# Altium PCB roach2.PcbDoc (part 10 of 39) (continued)
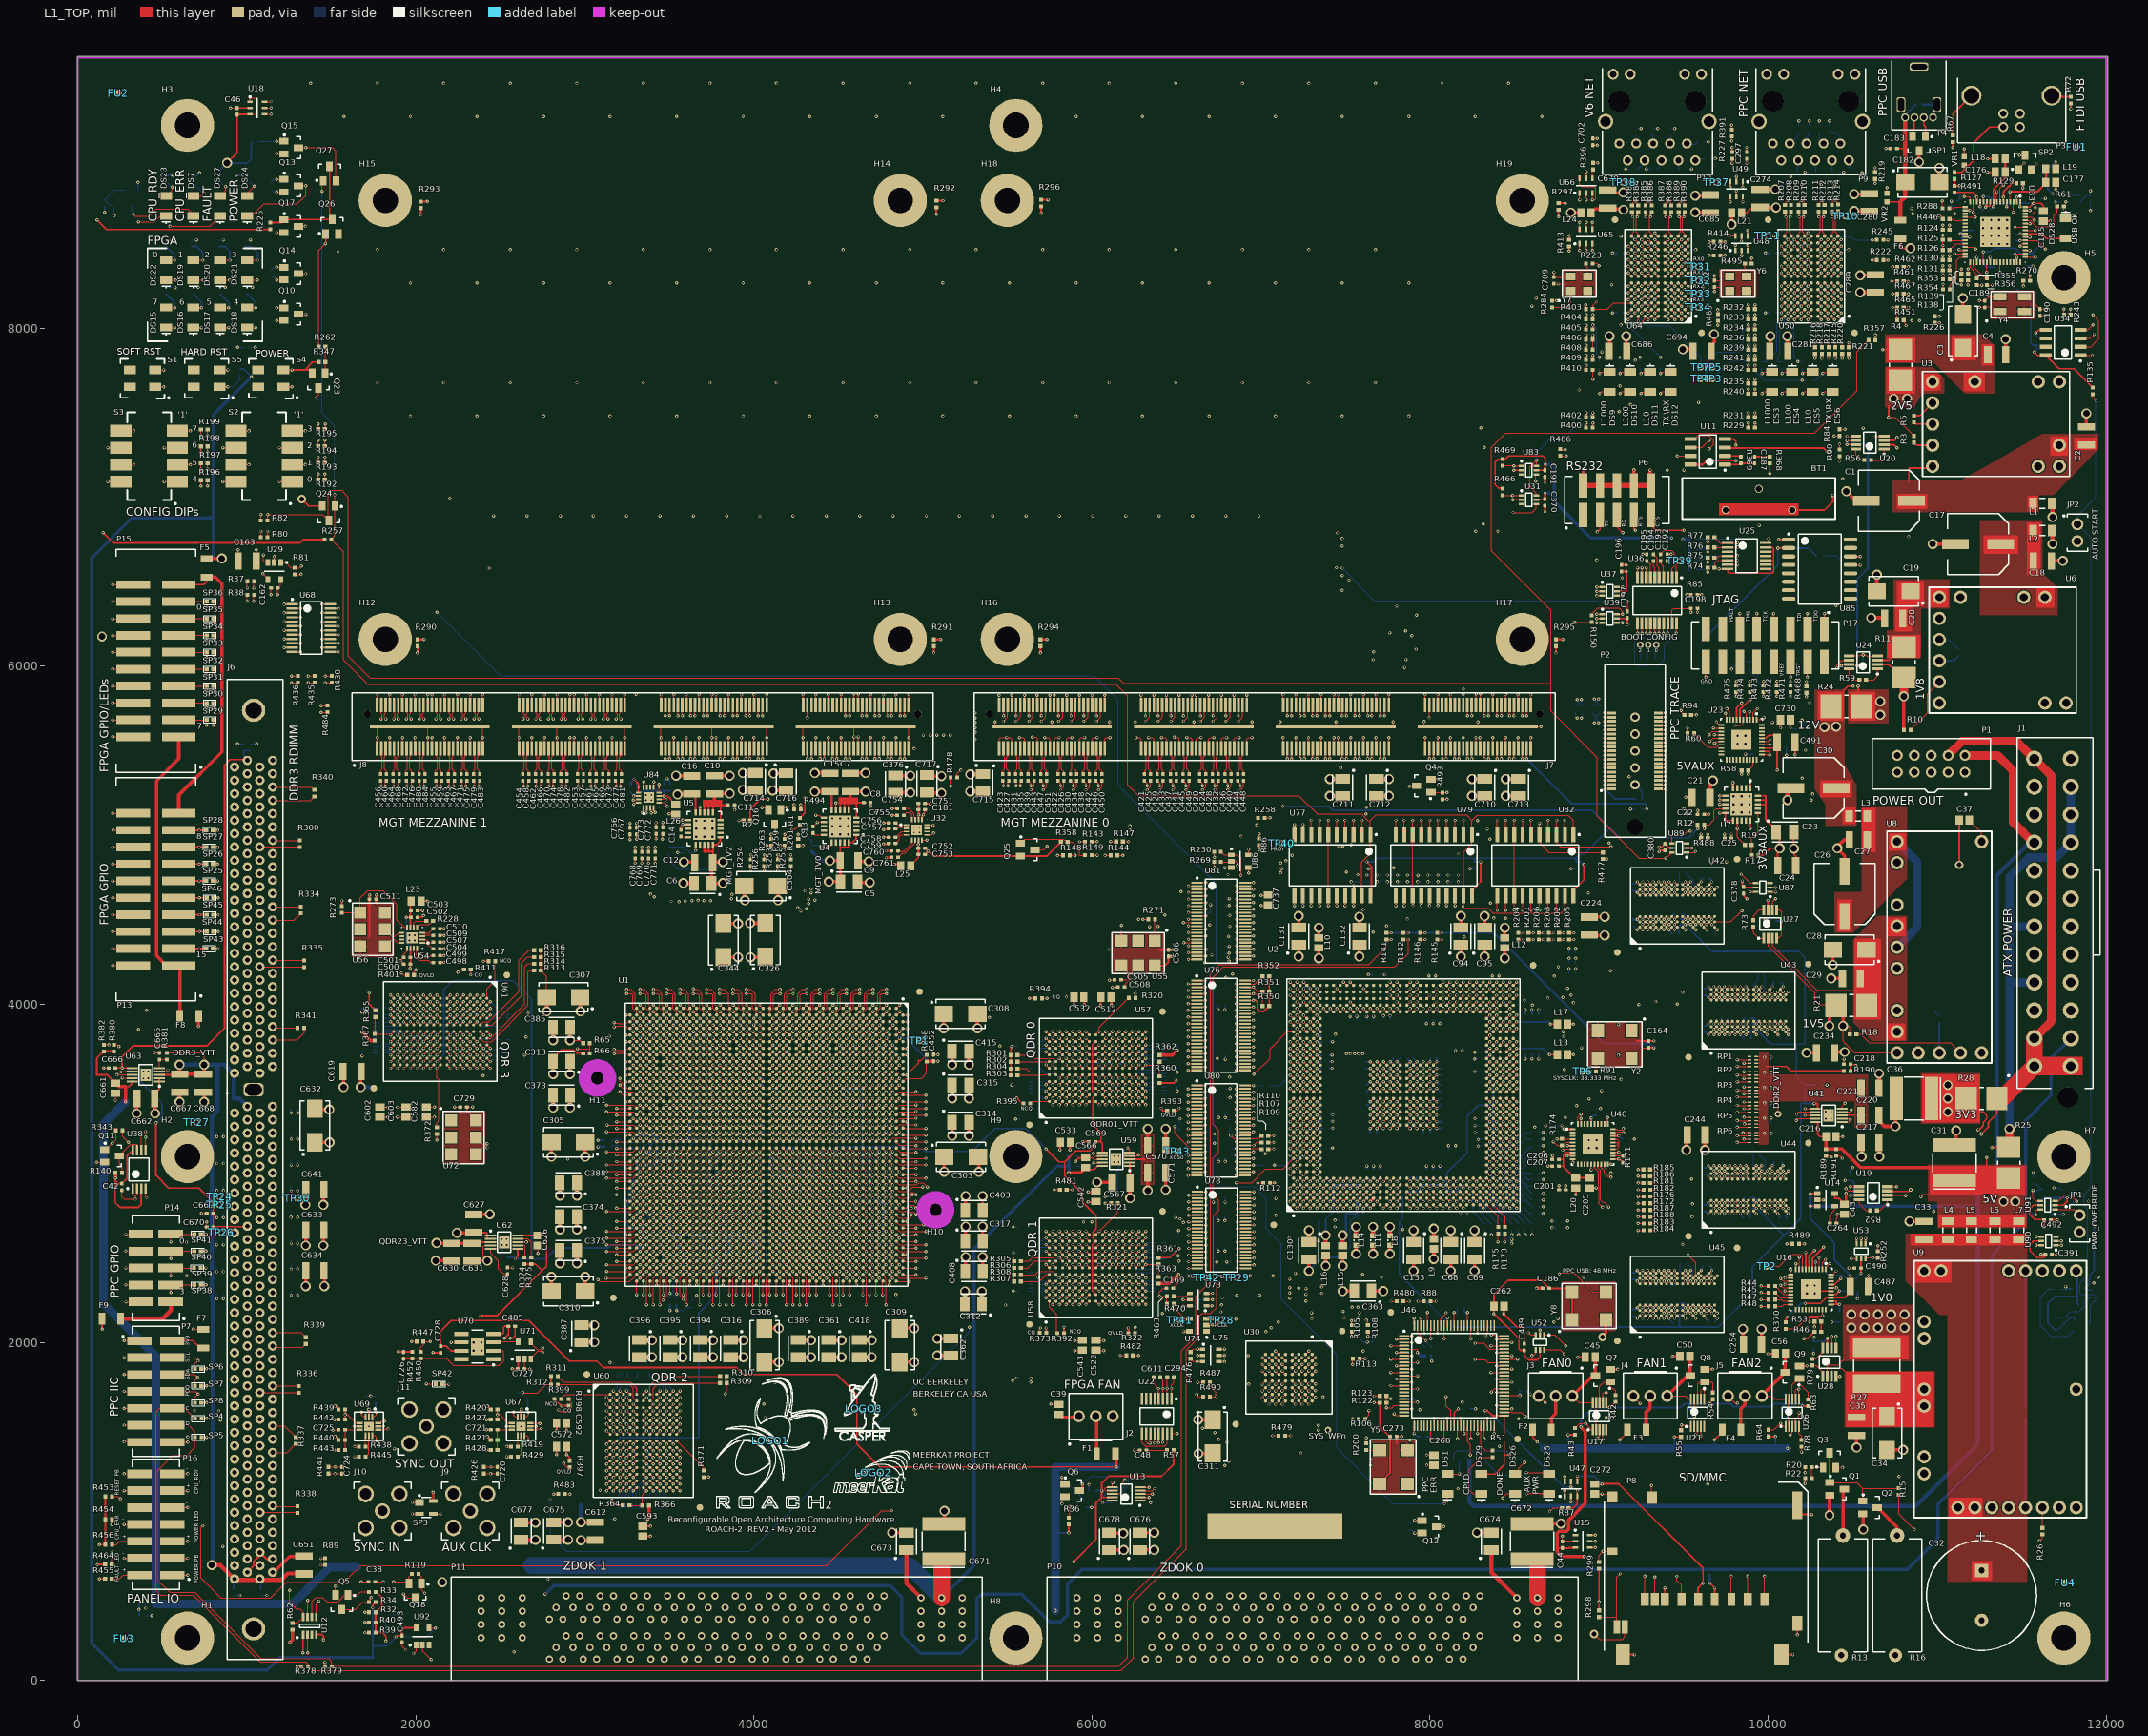
[diagram p0: L1_TOP view]
## Nets (pads, with @x,y where several pads share a name; then routed paths per layer and width w, separated by ;. In a path a pad name is that pad's centre, name@x,y a point inside that pad or via, vN(x,y) a via of type N, cw(c..) or ccw(c..) an arc to the next point about the centre after c; other vN are vias at no path point) (continued)
DDR2.DQ14: U2.AN18 U42.B1 | length 1849.9
  L1_TOP w5: U2.AN18@8453.23,3482.68 v1(8472.91,3502.36) ; v4(9257.87,4440.94) U42.B1@9273.62,4456.69
  L3_S w3.8: v2(8812.99,4094.99) 9008.33,4290.33 cw(c9011.44,4287.22) 9014.55,4290.33 9016.2,4288.68 ccw(c9019.31,4291.79) 9022.42,4288.68 ccw(c9019.31,4291.79) 9022.42,4294.9 9009.9,4307.42 cw(c9013.01,4310.53) 9009.9,4313.65 cw(c9013.01,4310.53) 9016.13,4313.65 9023.89,4305.89 9028.65,4301.13 ccw(c9031.76,4304.24) 9034.87,4301.13 ccw(c9031.76,4304.24) 9034.87,4307.35 9030.11,4312.11 9022.35,4319.87 cw(c9025.46,4322.98) 9022.35,4326.09 cw(c9025.46,4322.98) 9028.57,4326.09 9041.09,4313.57 ccw(c9044.2,4316.68) 9047.31,4313.57 ccw(c9044.2,4316.68) 9047.31,4319.79 9042.55,4324.55 9034.79,4332.31 cw(c9037.9,4335.42) 9034.79,4338.54 cw(c9037.9,4335.42) 9041.02,4338.54 9053.54,4326.02 ccw(c9056.65,4329.13) 9059.76,4326.02 ccw(c9056.65,4329.13) 9059.76,4332.24 9058.11,4333.89 cw(c9061.22,4337) 9058.11,4340.11 9092.99,4374.99 9106.39,4374.99 cw(c9106.39,4371.19) 9110.19,4371.19 ccw(c9114.59,4371.19) 9114.59,4366.79 ccw(c9114.59,4371.19) 9118.99,4371.19 9118.99,4380.79 cw(c9123.39,4380.79) 9123.39,4385.19 cw(c9123.39,4380.79) 9127.79,4380.79 9127.79,4371.19 ccw(c9132.19,4371.19) 9132.19,4366.79 ccw(c9132.19,4371.19) 9136.59,4371.19 9136.59,4380.79 cw(c9140.99,4380.79) 9140.99,4385.19 cw(c9140.99,4380.79) 9145.39,4380.79 9145.39,4371.19 ccw(c9149.79,4371.19) 9149.79,4366.79 ccw(c9149.79,4371.19) 9154.19,4371.19 9154.19,4380.79 cw(c9158.59,4380.79) 9158.59,4385.19 cw(c9158.59,4380.79) 9162.99,4380.79 9162.99,4371.19 ccw(c9167.39,4371.19) 9167.39,4366.79 ccw(c9167.39,4371.19) 9171.79,4371.19 9171.79,4380.85 cw(c9176.19,4380.85) 9176.19,4385.25 cw(c9176.19,4380.85) 9180.59,4380.85 9180.59,4371.19 ccw(c9184.99,4371.19) 9184.99,4366.79 ccw(c9184.99,4371.19) 9189.39,4371.19 9189.39,4394.54 cw(c9193.79,4394.54) 9193.79,4398.94 cw(c9193.79,4394.54) 9198.19,4394.54 9198.19,4371.19 ccw(c9202.59,4371.19) 9202.59,4366.79 ccw(c9202.59,4371.19) 9206.99,4371.19 9206.99,4412.14 cw(c9211.39,4412.14) 9211.39,4416.54 cw(c9211.39,4412.14) 9215.79,4412.14 9215.79,4371.19 ccw(c9220.19,4371.19) 9220.19,4366.79 ccw(c9220.19,4371.19) 9224.59,4371.19 cw(c9228.39,4371.19) 9228.39,4374.99 9236.99,4374.99 9257.87,4395.87 v4(9257.87,4440.94)
  L12_S w3.8: v1(8472.91,3502.36) 8496.68,3526.13 8540.13,3526.13 8658.59,3644.59 8658.59,3940.59 v2(8812.99,4094.99)
DDR2.DQ15: U2.AP18 U42.B9 | length 1849.9
  L1_TOP w5: U2.AP18@8492.6,3482.68 v1(8512.28,3502.36) ; v4(9257.87,4724.41) U42.B9@9273.62,4708.66
  L5_S w3.8: v1(8512.28,3502.36) 8493.66,3520.99 8430.99,3520.99 8417.94,3534.04 8417.94,3626.94 8430,3638.99 8524.99,3638.99 8536.99,3650.99 8536.99,3694.99 8604.99,3762.99 8772.99,3762.99 8818.99,3808.99 8818.99,3886.99 9086.99,4154.99 9086.99,4553.53 v4(9257.87,4724.41)
DDR2.DQ16: U2.AM16 U43.G8 | length 1915.4
  L1_TOP w5: U2.AM16@8413.86,3403.94 v1(8433.54,3384.25) ; v4(9836.61,4072.83) U43.G8@9852.36,4057.09
  L3_S w3.8: v2(8794.99,3614.99) 9220.99,4040.99 9532.59,4040.99 cw(c9532.59,4036.59) 9536.99,4036.59 9536.99,4030.64 ccw(c9541.39,4030.64) 9541.39,4026.24 ccw(c9541.39,4030.64) 9545.79,4030.64 9545.79,4049.35 cw(c9550.19,4049.35) 9550.19,4053.75 cw(c9550.19,4049.35) 9554.59,4049.35 9554.59,4030.64 ccw(c9558.99,4030.64) 9558.99,4026.24 ccw(c9558.99,4030.64) 9563.39,4030.64 9563.39,4049.35 cw(c9567.79,4049.35) 9567.79,4053.75 cw(c9567.79,4049.35) 9572.19,4049.35 9572.19,4030.64 ccw(c9576.59,4030.64) 9576.59,4026.24 ccw(c9576.59,4030.64) 9580.99,4030.64 9580.99,4049.35 cw(c9585.39,4049.35) 9585.39,4053.75 cw(c9585.39,4049.35) 9589.79,4049.35 9589.79,4030.64 ccw(c9594.19,4030.64) 9594.19,4026.24 ccw(c9594.19,4030.64) 9598.59,4030.64 9598.59,4036.59 cw(c9602.99,4036.59) 9602.99,4040.99 9616.99,4040.99 9632.94,4056.94 9820.42,4056.94 v4@9836.32,4072.83
  L5_S w3.8: v1(8433.54,3384.25) 8450.99,3401.7 8450.99,3423.76 8478.22,3450.99 8530.99,3450.99 8694.99,3614.99 v2(8794.99,3614.99)
DDR2.DQ17: U2.AP16 U43.G2 | length 1915.4
  L1_TOP w5: U2.AP16@8492.6,3403.94 v1(8512.28,3384.25) ; v4(9836.61,3852.36) U43.G2@9852.36,3868.11
  L3_S w3.8: v2(9114.99,3698.99) 9283.96,3867.96 9521.79,3867.96 ccw(c9521.79,3872.36) 9526.19,3872.36 9526.19,3886.57 cw(c9530.59,3886.57) 9530.59,3890.97 cw(c9530.59,3886.57) 9534.99,3886.57 9534.99,3849.35 ccw(c9539.39,3849.35) 9539.39,3844.95 ccw(c9539.39,3849.35) 9543.79,3849.35 9543.79,3886.57 cw(c9548.19,3886.57) 9548.19,3890.97 cw(c9548.19,3886.57) 9552.59,3886.57 9552.59,3849.35 ccw(c9556.99,3849.35) 9556.99,3844.95 ccw(c9556.99,3849.35) 9561.39,3849.35 9561.39,3886.57 cw(c9565.79,3886.57) 9565.79,3890.97 cw(c9565.79,3886.57) 9570.19,3886.57 9570.19,3849.35 ccw(c9574.59,3849.35) 9574.59,3844.95 ccw(c9574.59,3849.35) 9578.99,3849.35 9578.99,3886.57 cw(c9583.39,3886.57) 9583.39,3890.97 cw(c9583.39,3886.57) 9587.79,3886.57 9587.79,3849.35 ccw(c9592.19,3849.35) 9592.19,3844.95 ccw(c9592.19,3849.35) 9596.59,3849.35 9596.59,3863.56 cw(c9600.99,3863.56) 9600.99,3867.96 9821.01,3867.96 v4(9836.61,3852.36)
  L5_S w3.8: v1(8512.28,3384.25) 8673.03,3544.99 8960.99,3544.99 v2(9114.99,3698.99)
DDR2.DQ18: U2.AL15 U43.H7 | length 1915.4
  L1_TOP w5: U2.AL15@8374.49,3364.57 v1(8394.17,3344.88) ; v4(9868.11,4041.34) U43.H7@9883.86,4025.59
  L3_S w3.8: v2(9114.99,3880.99) 9119.99,3880.99 9203.99,3964.99 9830.99,3964.99 9868.11,4002.11 v4(9868.11,4041.34)
  L5_S w3.8: v1(8394.17,3344.88) 8370.77,3368.28 8370.77,3424.77 8422.99,3476.99 8512.99,3476.99 8692.99,3656.99 8890.99,3656.99 v2(9114.99,3880.99)
DDR2.DQ19: U2.AP14 U43.H3 | length 1914
  L1_TOP w5: U2.AP14@8492.6,3325.2 v1(8512.28,3305.51) ; v4(9868.11,3883.86) U43.H3@9883.86,3899.61
  L3_S w3.8: v1(8512.28,3305.51) 8496.68,3321.11 8496.68,3351.34 8505.82,3360.48 8572.48,3360.48 8761.65,3549.65 ccw(c8758.54,3552.76) 8761.65,3555.88 8744.39,3573.14 cw(c8747.5,3576.25) 8744.39,3579.36 cw(c8747.5,3576.25) 8750.61,3579.36 8776.41,3553.56 ccw(c8779.53,3556.67) 8782.64,3553.56 ccw(c8779.53,3556.67) 8782.64,3559.78 8777.21,3565.21 8756.83,3585.58 cw(c8759.95,3588.69) 8756.83,3591.81 cw(c8759.95,3588.69) 8763.06,3591.81 8788.86,3566 ccw(c8791.97,3569.11) 8795.08,3566 ccw(c8791.97,3569.11) 8795.08,3572.23 8792.77,3574.54 cw(c8795.88,3577.65) 8792.77,3580.77 8864.99,3652.99 8912.99,3652.99 9212.99,3952.99 9798.98,3952.99 v4(9868.11,3883.86)
DDR2.DQ20: U2.AL17 U43.H1 | length 1915.4
  L1_TOP w5: U2.AL17@8374.49,3443.31 v1(8394.17,3423.62) ; v4(9868.11,3820.87) U43.H1@9883.86,3836.61
  L3_S w3.8: v2(9130.96,3555.02) v2(9130.96,3555.02) 9241.85,3665.85 cw(c9244.96,3662.73) 9248.07,3665.85 9268.81,3645.1 ccw(c9271.92,3648.21) 9275.04,3645.1 ccw(c9271.92,3648.21) 9275.04,3651.32 9251.18,3675.18 9248.92,3677.44 cw(c9252.03,3680.55) 9248.92,3683.67 cw(c9252.03,3680.55) 9255.14,3683.67 9268.81,3669.99 ccw(c9271.92,3673.1) 9275.04,3669.99 ccw(c9271.92,3673.1) 9275.04,3676.21 9266.74,3684.51 cw(c9269.85,3687.62) 9266.74,3690.74 9288.99,3712.99 9785.7,3712.99 9868.11,3795.4 v4(9868.11,3820.87)
  L5_S w3.8: v1(8394.17,3423.62) 8378.57,3408.02 8378.57,3377.79 8387.71,3368.65 8524.65,3368.65 8670.99,3514.99 9090.93,3514.99 v2(9130.96,3555.02)
DDR2.DQ21: U2.AM17 U43.H9 | length 1915.4
  L1_TOP w5: U2.AM17@8413.86,3443.31 v1(8433.54,3423.62) ; v4(9868.11,4104.33) U43.H9@9883.86,4088.58
  L3_S w3.8: v1(8433.54,3423.62) 8454.91,3444.99 8506.99,3444.99 8708.99,3646.99 8708.99,3670.99 9216.99,4178.99 9394.59,4178.99 ccw(c9394.59,4183.39) 9398.99,4183.39 9398.99,4207.89 cw(c9403.39,4207.89) 9403.39,4212.29 cw(c9403.39,4207.89) 9407.79,4207.89 9407.79,4174.59 ccw(c9412.19,4174.59) 9412.19,4170.19 ccw(c9412.19,4174.59) 9416.59,4174.59 cw(c9420.99,4174.59) 9420.99,4178.99 9793.45,4178.99 v4(9868.11,4104.33)
DDR2.DQ22: U2.AN15 U43.F1 | length 1915.4
  L1_TOP w5: U2.AN15@8453.23,3364.57 v1(8472.91,3344.88) ; v4(9805.12,3820.87) U43.F1@9820.87,3836.61
  L3_S w3.8: v2@9008.99,3488.99 v2(9014.99,3488.99) 9040.99,3488.99 9276.99,3724.99 9460.99,3724.99 ccw(c9460.99,3729.39) 9465.39,3729.39 9465.39,3745.52 cw(c9469.79,3745.52) 9469.79,3749.92 cw(c9469.79,3745.52) 9474.19,3745.52 9474.19,3729.39 ccw(c9478.59,3729.39) 9478.59,3724.99 ccw(c9478.59,3729.39) 9482.99,3729.39 9482.99,3745.52 cw(c9487.39,3745.52) 9487.39,3749.92 cw(c9487.39,3745.52) 9491.79,3745.52 9491.79,3729.39 ccw(c9496.19,3729.39) 9496.19,3724.99 ccw(c9496.19,3729.39) 9500.59,3729.39 9500.59,3745.52 cw(c9504.99,3745.52) 9504.99,3749.92 cw(c9504.99,3745.52) 9509.39,3745.52 9509.39,3729.39 ccw(c9513.79,3729.39) 9513.79,3724.99 ccw(c9513.79,3729.39) 9518.19,3729.39 9518.19,3745.52 cw(c9522.59,3745.52) 9522.59,3749.92 cw(c9522.59,3745.52) 9526.99,3745.52 9526.99,3729.39 ccw(c9531.39,3729.39) 9531.39,3724.99 ccw(c9531.39,3729.39) 9535.79,3729.39 9535.79,3745.52 cw(c9540.19,3745.52) 9540.19,3749.92 cw(c9540.19,3745.52) 9544.59,3745.52 9544.59,3729.39 ccw(c9548.99,3729.39) 9548.99,3724.99 ccw(c9548.99,3729.39) 9553.39,3729.39 9553.39,3745.52 cw(c9557.79,3745.52) 9557.79,3749.92 cw(c9557.79,3745.52) 9562.19,3745.52 9562.19,3729.39 ccw(c9566.59,3729.39) 9566.59,3724.99 ccw(c9566.59,3729.39) 9570.99,3729.39 9570.99,3745.52 cw(c9575.39,3745.52) 9575.39,3749.92 cw(c9575.39,3745.52) 9579.79,3745.52 9579.79,3729.39 ccw(c9584.19,3729.39) 9584.19,3724.99 9766.99,3724.99 9805.12,3763.12 v4(9805.12,3820.87)
  L5_S w3.8: v1(8472.91,3344.88) 8488.51,3360.48 8546.48,3360.48 8674.99,3488.99 v2(9014.99,3488.99)
DDR2.DQ23: U2.AM15 U43.F9 | length 1915.4
  L1_TOP w5: U2.AM15@8413.86,3364.57 v1(8433.54,3344.88) ; v4(9805.12,4104.33) U43.F9@9820.87,4088.58
  L3_S w3.8: v1(8433.54,3344.88) 8449.14,3360.48 8449.14,3399.14 8458.02,3408.02 8518.75,3408.02 8527.88,3417.16 8527.88,3423.88 8766.99,3662.99 8766.99,3696.99 9208.99,4138.99 9464.59,4138.99 ccw(c9464.59,4143.39) 9468.99,4143.39 9468.99,4165.51 cw(c9473.39,4165.51) 9473.39,4169.91 cw(c9473.39,4165.51) 9477.79,4165.51 9477.79,4122.48 ccw(c9482.19,4122.48) 9482.19,4118.08 ccw(c9482.19,4122.48) 9486.59,4122.48 9486.59,4134.59 cw(c9490.99,4134.59) 9490.99,4138.99 9548.99,4138.99 9562.99,4152.99 9756.46,4152.99 v4(9805.12,4104.33)
DDR2.DQ24: U2.AP13 U43.C8 | length 1719.3
  L1_TOP w5: U2.AP13@8492.6,3285.83 v1(8512.28,3266.14) ; v4(9710.63,4072.83) U43.C8@9726.38,4057.09
  L3_S w3.8: v2(9492.99,4070.99) 9500.99,4062.99 9604.99,4062.99 9630.43,4088.43 9694.73,4088.43 9710.33,4072.83 v4(9710.63,4072.83)
  L5_S w3.8: v1(8512.28,3266.14) 8544.14,3266.14 8630.99,3352.99 8854.99,3352.99 8908.99,3406.99 9028.99,3406.99 9402.99,3780.99 9402.99,3980.99 v2(9492.99,4070.99)
DDR2.DQ25: U2.AN13 U43.C2 | length 1780.8
  L1_TOP w5: U2.AN13@8453.23,3285.83 v1(8472.91,3266.14) ; v4(9710.63,3852.36) U43.C2@9726.38,3868.11
  L3_S w3.8: v2(8798.99,3330.99) 8798.99,3355.05 9240.93,3796.99 9302.99,3796.99 9342.47,3836.47 9459.79,3836.47 cw(c9459.79,3832.07) 9464.19,3832.07 9464.19,3788.79 ccw(c9468.59,3788.79) 9468.59,3784.39 ccw(c9468.59,3788.79) 9472.99,3788.79 9472.99,3845.57 cw(c9477.39,3845.57) 9477.39,3849.97 cw(c9477.39,3845.57) 9481.79,3845.57 9481.79,3788.79 ccw(c9486.19,3788.79) 9486.19,3784.39 ccw(c9486.19,3788.79) 9490.59,3788.79 9490.59,3832.07 cw(c9494.99,3832.07) 9494.99,3836.47 9680.99,3836.47 9681.29,3836.76 9694.73,3836.76 9710.33,3852.36 v4(9710.63,3852.36)
  L5_S w3.8: v1(8472.91,3266.14) 8492.06,3246.99 8554.99,3246.99 8638.99,3330.99 v2(8798.99,3330.99)
DDR2.DQ26: U2.AP12 U43.D7 | length 1780.8
  L1_TOP w5: U2.AP12@8492.6,3246.46 v1(8512.28,3226.77) ; v4(9742.13,4041.34) U43.D7@9757.87,4025.59
  L3_S w3.8: v2(9462.99,4000.99) 9464.99,3998.99 9510.99,3998.99 ccw(c9510.99,4003.39) 9515.39,4003.39 9515.39,4004.09 cw(c9519.79,4004.09) 9519.79,4008.49 cw(c9519.79,4004.09) 9524.19,4004.09 9524.19,3995.79 ccw(c9528.59,3995.79) 9528.59,3991.39 ccw(c9528.59,3995.79) 9532.99,3995.79 9532.99,4004.09 cw(c9537.39,4004.09) 9537.39,4008.49 cw(c9537.39,4004.09) 9541.79,4004.09 9541.79,4003.39 ccw(c9546.19,4003.39) 9546.19,3998.99 9726.99,3998.99 9742.13,4014.13 v4(9742.13,4041.34)
  L5_S w3.8: v1(8512.28,3226.77) 8550.71,3226.77 8626.93,3302.99 8816.99,3302.99 8912.99,3398.99 9044.99,3398.99 9462.99,3816.99 v2(9462.99,4000.99)
DDR2.DQ27: U2.AL12 U43.D3 | length 1780.8
  L1_TOP w5: U2.AL12@8374.49,3246.46 v1(8394.17,3226.77) ; v4(9742.13,3883.86) U43.D3@9757.87,3899.61
  L3_S w3.8: v2(8618.99,3272.99) 9268.99,3922.99 9545.59,3922.99 ccw(c9545.59,3926.79) 9549.39,3926.79 cw(c9553.79,3926.79) 9553.79,3931.19 cw(c9553.79,3926.79) 9558.19,3926.79 9558.19,3915.19 ccw(c9562.59,3915.19) 9562.59,3910.79 ccw(c9562.59,3915.19) 9566.99,3915.19 9566.99,3926.19 cw(c9571.39,3926.19) 9571.39,3930.59 cw(c9571.39,3926.19) 9575.79,3926.19 9575.79,3915.19 ccw(c9580.19,3915.19) 9580.19,3910.79 ccw(c9580.19,3915.19) 9584.59,3915.19 9584.59,3918.59 cw(c9588.99,3918.59) 9588.99,3922.99 9702.99,3922.99 v4(9742.13,3883.86)
  L5_S w3.8: v1(8394.17,3226.77) 8413.95,3206.99 8552.99,3206.99 v2(8618.99,3272.99)
DDR2.DQ28: U2.AM14 U43.D1 | length 1780.8
  L1_TOP w5: U2.AM14@8413.86,3325.2 v1(8433.54,3305.51) ; v4(9742.13,3820.87) U43.D1@9757.87,3836.61
  L3_S w3.8: v2(8940.99,3440.99) 9258.59,3758.59 9664.99,3758.59 ccw(c9664.99,3762.99) 9669.39,3762.99 9669.39,3792.51 cw(c9673.79,3792.51) 9673.79,3796.91 cw(c9673.79,3792.51) 9678.19,3792.51 9678.19,3742.95 ccw(c9682.59,3742.95) 9682.59,3738.55 ccw(c9682.59,3742.95) 9686.99,3742.95 9686.99,3799.3 cw(c9691.39,3799.3) 9691.39,3803.7 cw(c9691.39,3799.3) 9695.79,3799.3 9695.79,3762.99 ccw(c9700.19,3762.99) 9700.19,3758.59 9708.59,3758.59 9742.13,3792.13 v4(9742.13,3820.87)
  L5_S w3.8: v1(8433.54,3305.51) 8449.14,3321.11 8545.11,3321.11 8664.99,3440.99 v2(8940.99,3440.99)
DDR2.DQ29: U2.AN14 U43.D9 | length 1759.1
  L1_TOP w5: U2.AN14@8453.23,3325.2 v1(8472.91,3305.51) ; v4(9742.13,4104.33) U43.D9@9757.87,4088.58
  L3_S w3.8: v1(8472.91,3305.51) 8457.31,3321.11 8457.31,3351.34 8468.96,3362.99 8486.27,3362.99 8496.68,3373.4 8496.68,3390.71 8505.82,3399.85 8525.85,3399.85 8806.99,3680.99 8806.99,3712.99 9202.99,4108.99 9350.99,4108.99 ; 9346.99,4108.99 9350.99,4108.99 ; v4(9742.13,4104.33) 9709.46,4136.99 9604.99,4136.99 9576.99,4108.99 9350.99,4108.99
DDR2.DQ30: U2.AL13 U43.B1 | length 1780.8
  L1_TOP w5: U2.AL13@8374.49,3285.83 v1(8394.17,3266.14) ; v4(9679.13,3820.87) U43.B1@9694.88,3836.61
  L3_S w3.8: v2(8866.99,3400.99) 9236.99,3770.99 9313.93,3770.99 9317.53,3767.39 9554.99,3767.39 ccw(c9554.99,3771.79) 9559.39,3771.79 9559.39,3820.02 cw(c9563.79,3820.02) 9563.79,3824.42 cw(c9563.79,3820.02) 9568.19,3820.02 9568.19,3771.79 ccw(c9572.59,3771.79) 9572.59,3767.39 ccw(c9572.59,3771.79) 9576.99,3771.79 9576.99,3820.02 cw(c9581.39,3820.02) 9581.39,3824.42 cw(c9581.39,3820.02) 9585.79,3820.02 9585.79,3771.79 ccw(c9590.19,3771.79) 9590.19,3767.39 9625.66,3767.39 v4(9679.13,3820.87)
  L5_S w3.8: v1(8394.17,3266.14) 8417.94,3289.91 8527.91,3289.91 8638.99,3400.99 v2(8866.99,3400.99)
DDR2.DQ31: U2.AM12 U43.B9 | length 1780.8
  L1_TOP w5: U2.AM12@8413.86,3246.46 v1(8433.54,3226.77) ; v4(9679.13,4104.33) U43.B9@9694.88,4088.58
  L3_S w3.8: v1(8433.54,3226.77) 8457.31,3250.54 8479.38,3250.54 8488.51,3259.68 8488.51,3354.2 8502.59,3368.28 8522.28,3368.28 8831.92,3677.92 8831.92,3709.45 9209.46,4086.99 9371.39,4086.99 cw(c9371.39,4082.59) 9375.79,4082.59 9375.79,4070.19 ccw(c9380.19,4070.19) 9380.19,4065.79 ccw(c9380.19,4070.19) 9384.59,4070.19 9384.59,4082.59 cw(c9388.99,4082.59) 9388.99,4086.99 9590.99,4086.99 9623.93,4119.93 9663.53,4119.93 v4(9679.13,4104.33)
DDR2.DQ32: U2.AF3 U44.G8 | length 1788.4
  L1_TOP w5: U2.AF3@8177.64,2892.13 v1(8197.32,2872.44) ; v4(9836.61,3013.78) U44.G8@9852.36,2998.03
  L3_S w3.8: v1(8197.32,2872.44) 8216.77,2852.99 8658.3,2852.99 8664.22,2858.91 8677.14,2858.91 8683.05,2852.99 9176.99,2852.99 9206.99,2882.99 9738.99,2882.99 9821.01,2965.01 9821.01,2997.88 9836.61,3013.48 v4(9836.61,3013.78)
DDR2.DQ33: U2.AF1 U44.G2 | length 1758.4
  L1_TOP w5: U2.AF1@8177.64,2813.39 v1(8197.32,2793.7) ; v4(9836.61,2793.31) U44.G2@9852.36,2809.06
  L3_S w3.8: v1(8197.32,2793.7) 8197.32,2762.66 8212.28,2747.71 9195.71,2747.71 9212.99,2764.99 9588.99,2764.99 9632.91,2808.91 9821.01,2808.91 v4(9836.61,2793.31)
DDR2.DQ34: U2.AD4 U44.H7 | length 1913.2
  L1_TOP w5: U2.AD4@8098.9,2931.5 v1(8118.58,2911.81) ; v4(9868.11,2982.28) U44.H7@9883.86,2966.54
  L3_S w3.8: v1(8118.58,2911.81) 8118.58,2929.12 8134.18,2944.72 8134.18,2958.18 8150.95,2974.95 8617.03,2974.95 8644.28,2947.71 8677.14,2947.71 8678.43,2948.99 8908.99,2948.99 8959.96,2898.02 9012.02,2898.02 9024.99,2910.99 9152.99,2910.99 9208.99,2966.99 v2(9546.99,2966.99)
  L5_S w3.8: v2(9546.99,2966.99) 9547.3,2966.68 9854.68,2966.68 9868.11,2980.11 v4(9868.11,2982.28)
DDR2.DQ35: U2.AD3 U44.H3 | length 1947.7
  L1_TOP w5: U2.AD3@8098.9,2892.13 v1(8118.58,2872.44) ; v4(9868.11,2824.8) U44.H3@9883.86,2840.55
  L5_S w3.8: v1(8118.58,2872.44) 8138.99,2892.85 8138.99,2922.99 8148.99,2932.99 8596.99,2932.99 8644.99,2980.99 8954.99,2980.99 9048.59,2887.39 9238.27,2887.39 9249.87,2898.99 9812.99,2898.99 9868.11,2843.87 v4(9868.11,2824.8)
DDR2.DQ36: U2.AG3 U44.H1 | length 1779.3
  L1_TOP w5: U2.AG3@8217.01,2892.13 v1(8236.69,2872.44) ; v4(9868.11,2761.81) U44.H1@9883.86,2777.56
  L5_S w3.8: v1(8236.69,2872.44) 8256.14,2852.99 8644.99,2852.99 8652.99,2860.99 8834.99,2860.99 8840.99,2854.99 9198.99,2854.99 9208.99,2844.99 9248.99,2844.99 9270.99,2866.99 9764.99,2866.99 9789.52,2842.47 9789.52,2818.34 9798.95,2808.91 9843.08,2808.91 9852.21,2799.77 9852.21,2795.29 9852.51,2794.99 9852.51,2777.41 v4(9868.11,2761.81)
DDR2.DQ37: U2.AF2 U44.H9 | length 1905
  L1_TOP w5: U2.AF2@8177.64,2852.76 v1(8197.32,2833.07) ; v4(9868.11,3045.28) U44.H9@9883.86,3029.53
  L3_S w3.8: v1(8197.32,2833.07) 8210.91,2833.07 8268.99,2774.99 8636.99,2774.99 8648.71,2786.71 8697.28,2786.71 8704.99,2778.99 9128.99,2778.99 9192.99,2842.99 9532.99,2842.99 9554.99,2864.99 9758.99,2864.99 9852.51,2958.51 9852.51,3029.38 9868.11,3044.98 v4(9868.11,3045.28)
DDR2.DQ38: U2.AE2 U44.F1 | length 1792.4
  L1_TOP w5: U2.AE2@8138.27,2852.76 v1(8157.95,2833.07) ; v4(9805.12,2761.81) U44.F1@9820.87,2777.56
  L5_S w3.8: v1(8157.95,2833.07) 8173.92,2817.1 8207.02,2817.1 8223.12,2800.99 8230.99,2800.99 8258.99,2772.99 8647.27,2772.99 8660.99,2786.71 8695.28,2786.71 8732.99,2748.99 9180.99,2748.99 9190.99,2758.99 9228.59,2758.99 ; 9228.99,2758.59 9228.59,2758.99 ; 9536.99,2758.99 9532.99,2758.99 ; v4(9805.12,2761.81) 9757.94,2808.99 9610.99,2808.99 9560.99,2758.99 9532.99,2758.99 ; 9228.59,2758.99 9532.99,2758.99
DDR2.DQ39: U2.AE1 U44.F9 | length 1867.6
  L1_TOP w5: U2.AE1@8138.27,2813.39 v1(8157.95,2793.7) ; v4(9805.12,3045.28) U44.F9@9820.87,3029.53
  L3_S w3.8: v1(8157.95,2793.7) 8175.26,2793.7 8190.86,2809.3 8214.68,2809.3 8260.99,2762.99 8648.3,2762.99 8664.22,2778.91 8677.14,2778.91 8691.05,2764.99 9138.99,2764.99 9174.99,2800.99 9534.99,2800.99 v2(9552.99,2818.99)
  L14_S w3.8: v2(9552.99,2818.99) 9695.03,2961.03 9695.03,2988.75 9704.17,2997.88 9757.73,2997.88 v4(9805.12,3045.28)
DDR2.DQ40: U2.AC3 U44.C8 | length 2068
  L1_TOP w5: U2.AC3@8059.53,2892.13 v1(8079.21,2872.44) ; v4(9710.63,3013.78) U44.C8@9726.38,2998.03
  L3_S w3.8: v1(8079.21,2872.44) 8056.99,2894.66 8056.99,2980.99 8090.32,3014.32 8659.63,3014.32 8664.22,3018.91 8677.14,3018.91 8709.05,2986.99 8956.99,2986.99 8994.99,2948.99 9130.99,2948.99 9228.99,3046.99 9302.99,3046.99 9314.99,3034.99 9340.99,3034.99 ccw(c9340.99,3039.39) 9345.39,3039.39 9345.39,3050.38 cw(c9349.79,3050.38) 9349.79,3054.78 cw(c9349.79,3050.38) 9354.19,3050.38 9354.19,3017.6 ccw(c9358.59,3017.6) 9358.59,3013.2 ccw(c9358.59,3017.6) 9362.99,3017.6 9362.99,3050.38 cw(c9367.39,3050.38) 9367.39,3054.78 cw(c9367.39,3050.38) 9371.79,3050.38 9371.79,3017.6 ccw(c9376.19,3017.6) 9376.19,3013.2 ccw(c9376.19,3017.6) 9380.59,3017.6 9380.59,3030.59 cw(c9384.99,3030.59) 9384.99,3034.99 9552.99,3034.99 9558.31,3029.68 9694.73,3029.68 v4(9710.63,3013.78)
DDR2.DQ41: U2.AC1 U44.C2 | length 2068
  L1_TOP w5: U2.AC1@8059.53,2813.39 v1(8079.21,2793.7) ; v4(9710.63,2793.31) U44.C2@9726.38,2809.06
  L5_S w3.8: v1(8079.21,2793.7) 8121.92,2750.99 8654.99,2750.99 8668.99,2736.99 8854.99,2736.99 8873.39,2718.59 8908.99,2718.59 ccw(c8908.99,2722.99) 8913.39,2722.99 8913.39,2735.58 cw(c8917.79,2735.58) 8917.79,2739.98 cw(c8917.79,2735.58) 8922.19,2735.58 8922.19,2700.8 ccw(c8926.59,2700.8) 8926.59,2696.4 ccw(c8926.59,2700.8) 8930.99,2700.8 8930.99,2735.58 cw(c8935.39,2735.58) 8935.39,2739.98 cw(c8935.39,2735.58) 8939.79,2735.58 8939.79,2700.8 ccw(c8944.19,2700.8) 8944.19,2696.4 ccw(c8944.19,2700.8) 8948.59,2700.8 8948.59,2735.58 cw(c8952.99,2735.58) 8952.99,2739.98 cw(c8952.99,2735.58) 8957.39,2735.58 8957.39,2700.8 ccw(c8961.79,2700.8) 8961.79,2696.4 ccw(c8961.79,2700.8) 8966.19,2700.8 8966.19,2735.58 cw(c8970.59,2735.58) 8970.59,2739.98 cw(c8970.59,2735.58) 8974.99,2735.58 8974.99,2700.8 ccw(c8979.39,2700.8) 8979.39,2696.4 ccw(c8979.39,2700.8) 8983.79,2700.8 8983.79,2714.19 cw(c8988.19,2714.19) 8988.19,2718.59 9279.39,2718.59 9291.19,2706.79 9562.79,2706.79 9633.41,2777.41 9694.73,2777.41 v4(9710.63,2793.31)
DDR2.DQ42: U2.AA4 U44.D7 | length 2068
  L1_TOP w5: U2.AA4@7980.79,2931.5 v1(8000.47,2911.81) ; v4(9742.13,2982.28) U44.D7@9757.87,2966.54
  L3_S w3.8: v1(8000.47,2911.81) 8016.07,2896.21 8016.07,2855.91 8023.87,2848.11 8023.87,2820.11 8034.68,2809.3 8046.31,2809.3 8055.44,2800.16 8055.44,2762.54 8080.99,2736.99 8840.99,2736.99 8852.99,2724.99 9498.99,2724.99 ; 9500.99,2724.99 9498.99,2724.99 ; v2(9550.99,2742.99) 9548.99,2742.99 9530.99,2724.99 9498.99,2724.99
  L14_S w3.8: v2(9550.99,2742.99) 9550.99,2766.99 9742.13,2958.13 v4(9742.13,2982.28)
DDR2.DQ43: U2.AA3 U44.D3 | length 2068
  L1_TOP w5: U2.AA3@7980.79,2892.13 v1(8000.47,2872.44) ; v4(9742.13,2824.8) U44.D3@9757.87,2840.55
  L5_S w3.8: v1(8000.47,2872.44) 8017.78,2872.44 8033.38,2888.04 8046.31,2888.04 8055.44,2878.9 8055.44,2873.59 8072.56,2856.47 8207.02,2856.47 8221.09,2842.39 8221.09,2826.61 8230.23,2817.47 8238.62,2817.47 8238.99,2817.1 8651.38,2817.1 8660.99,2826.71 8682.71,2826.71 8694.99,2838.99 8939.59,2838.99 ccw(c8939.59,2842.79) 8943.39,2842.79 cw(c8947.79,2842.79) 8947.79,2847.19 cw(c8947.79,2842.79) 8952.19,2842.79 8952.19,2831.66 ccw(c8956.59,2831.66) 8956.59,2827.26 ccw(c8956.59,2831.66) 8960.99,2831.66 8960.99,2842.24 cw(c8965.39,2842.24) 8965.39,2846.64 cw(c8965.39,2842.24) 8969.79,2842.24 8969.79,2831.66 ccw(c8974.19,2831.66) 8974.19,2827.26 ccw(c8974.19,2831.66) 8978.59,2831.66 8978.59,2842.24 cw(c8982.99,2842.24) 8982.99,2846.64 cw(c8982.99,2842.24) 8987.39,2842.24 8987.39,2831.66 ccw(c8991.79,2831.66) 8991.79,2827.26 ccw(c8991.79,2831.66) 8996.19,2831.66 8996.19,2842.24 cw(c9000.59,2842.24) 9000.59,2846.64 cw(c9000.59,2842.24) 9004.99,2842.24 9004.99,2831.66 ccw(c9009.39,2831.66) 9009.39,2827.26 ccw(c9009.39,2831.66) 9013.79,2831.66 9013.79,2842.24 cw(c9018.19,2842.24) 9018.19,2846.64 cw(c9018.19,2842.24) 9022.59,2842.24 9022.59,2831.66 ccw(c9026.99,2831.66) 9026.99,2827.26 ccw(c9026.99,2831.66) 9031.39,2831.66 9031.39,2842.24 cw(c9035.79,2842.24) 9035.79,2846.64 cw(c9035.79,2842.24) 9040.19,2842.24 ; 9040.19,2842.33 9040.19,2842.7 ; 9040.19,2842.79 ccw(c9043.99,2842.79) 9043.99,2838.99 9152.99,2838.99 9193.39,2798.59 9284.59,2798.59 9320.99,2834.99 9578.99,2834.99 9598.99,2854.99 9711.94,2854.99 v4(9742.13,2824.8)
DDR2.DQ44: U2.AD2 U44.D1 | length 1999.2
  L1_TOP w5: U2.AD2@8098.9,2852.76 v1(8118.58,2833.07) ; v4(9742.13,2761.81) U44.D1@9757.87,2777.56
  L5_S w3.8: v1(8118.58,2833.07) 8101.28,2833.07 8077.51,2809.3 8033.38,2809.3 8024.24,2800.16 8024.24,2787.24 8048.49,2762.99 8078.99,2762.99 8108.99,2732.99 8426.99,2732.99 8438.99,2720.99 8638.99,2720.99 8700.99,2658.99 9194.99,2658.99 9214.59,2678.59 9349.77,2678.59 9367.37,2660.99 9641.31,2660.99 v4(9742.13,2761.81)
DDR2.DQ45: U2.AC4 U44.D9 | length 2068
  L1_TOP w5: U2.AC4@8059.53,2931.5 v1(8079.21,2911.81) ; v4(9742.13,3045.28) U44.D9@9757.87,3029.53
  L3_S w3.8: v1(8079.21,2911.81) 8079.21,2929.12 8094.81,2944.72 8094.81,2972.81 8128.15,3006.15 8518.75,3006.15 8521.9,3002.99 8638.99,3002.99 8660.99,2980.99 8690.99,2980.99 8700.99,2970.99 8942.99,2970.99 8976.99,2936.99 9142.99,2936.99 9210.99,3004.99 9404.19,3004.99 cw(c9404.19,3000.59) 9408.59,3000.59 9408.59,2984.2 ccw(c9412.99,2984.2) 9412.99,2979.8 ccw(c9412.99,2984.2) 9417.39,2984.2 9417.39,3017.78 cw(c9421.79,3017.78) 9421.79,3022.18 cw(c9421.79,3017.78) 9426.19,3017.78 9426.19,2984.2 ccw(c9430.59,2984.2) 9430.59,2979.8 ccw(c9430.59,2984.2) 9434.99,2984.2 9434.99,3017.78 cw(c9439.39,3017.78) 9439.39,3022.18 cw(c9439.39,3017.78) 9443.79,3017.78 9443.79,2984.2 ccw(c9448.19,2984.2) 9448.19,2979.8 ccw(c9448.19,2984.2) 9452.59,2984.2 9452.59,3000.59 cw(c9456.99,3000.59) 9456.99,3004.99 9548.99,3004.99 9555.8,2998.18 9717.09,2998.18 9726.23,3007.32 9726.23,3029.38 v4(9742.13,3045.28)
DDR2.DQ46: U2.AB1 U44.B1 | length 2068
  L1_TOP w5: U2.AB1@8020.16,2813.39 v1(8039.84,2793.7) ; v4(9679.13,2761.81) U44.B1@9694.88,2777.56
  L5_S w3.8: v1(8039.84,2793.7) 8056.28,2793.7 8072.99,2776.99 8082.99,2776.99 8116.99,2742.99 8638.99,2742.99 8686.99,2694.99 8842.99,2694.99 8850.59,2687.39 9238.27,2687.39 9249.87,2698.99 9485.79,2698.99 cw(c9485.79,2694.59) 9490.19,2694.59 9490.19,2674.92 ccw(c9494.59,2674.92) 9494.59,2670.52 ccw(c9494.59,2674.92) 9498.99,2674.92 9498.99,2694.59 cw(c9503.39,2694.59) 9503.39,2698.99 cw(c9503.39,2694.59) 9507.79,2694.59 9507.79,2674.92 ccw(c9512.19,2674.92) 9512.19,2670.52 ccw(c9512.19,2674.92) 9516.59,2674.92 9516.59,2694.59 cw(c9520.99,2694.59) 9520.99,2698.99 cw(c9520.99,2694.59) 9525.39,2694.59 9525.39,2674.92 ccw(c9529.79,2674.92) 9529.79,2670.52 ccw(c9529.79,2674.92) 9534.19,2674.92 9534.19,2694.59 cw(c9538.59,2694.59) 9538.59,2698.99 cw(c9538.59,2694.59) 9542.99,2694.59 9542.99,2674.92 ccw(c9547.39,2674.92) 9547.39,2670.52 ccw(c9547.39,2674.92) 9551.79,2674.92 9551.79,2694.59 cw(c9556.19,2694.59) 9556.19,2698.99 cw(c9556.19,2694.59) 9560.59,2694.59 9560.59,2674.92 ccw(c9564.99,2674.92) 9564.99,2670.52 ccw(c9564.99,2674.92) 9569.39,2674.92 9569.39,2694.59 cw(c9573.79,2694.59) 9573.79,2698.99 cw(c9573.79,2694.59) 9578.19,2694.59 9578.19,2674.92 ccw(c9582.59,2674.92) 9582.59,2670.52 ccw(c9582.59,2674.92) 9586.99,2674.92 9586.99,2694.59 cw(c9591.39,2694.59) 9591.39,2698.99 9628.99,2698.99 9679.13,2749.13 v4(9679.13,2761.81)
DDR2.DQ47: U2.AB2 U44.B9 | length 2068
  L1_TOP w5: U2.AB2@8020.16,2852.76 v1(8039.84,2833.07) ; v4(9679.13,3045.28) U44.B9@9694.88,3029.53
  L3_S w3.8: v1(8039.84,2833.07) 8039.84,2848.14 8024.24,2863.74 8024.24,2974.24 8100.99,3050.99 8666.99,3050.99 8714.99,3002.99 9044.99,3002.99 9052.99,2994.99 9052.99,2972.73 9064.53,2961.19 9111.19,2961.19 9172.99,3022.99 9186.99,3022.99 9226.99,3062.99 9408.99,3062.99 ccw(c9408.99,3067.39) 9413.39,3067.39 cw(c9417.79,3067.39) 9417.79,3071.79 cw(c9417.79,3067.39) 9422.19,3067.39 9422.19,3049.52 ccw(c9426.59,3049.52) 9426.59,3045.12 ccw(c9426.59,3049.52) 9430.99,3049.52 9430.99,3058.59 cw(c9435.39,3058.59) 9435.39,3062.99 cw(c9435.39,3058.59) 9439.79,3058.59 9439.79,3049.52 ccw(c9444.19,3049.52) 9444.19,3045.12 ccw(c9444.19,3049.52) 9448.59,3049.52 9448.59,3067.16 cw(c9452.99,3067.16) 9452.99,3071.56 cw(c9452.99,3067.16) 9457.39,3067.28 ; 9457.39,3067.16 ccw(c9452.99,3067.16) 9457.39,3067.27 ; 9457.39,3067.39 ccw(c9461.79,3067.39) 9457.39,3067.28 ; v4(9679.13,3045.28) 9661.42,3062.99 9461.79,3062.99 cw(c9461.79,3067.39) 9457.39,3067.27